# Allegro board ZDRK-36-DE3-A02-20190729.brd (continued)
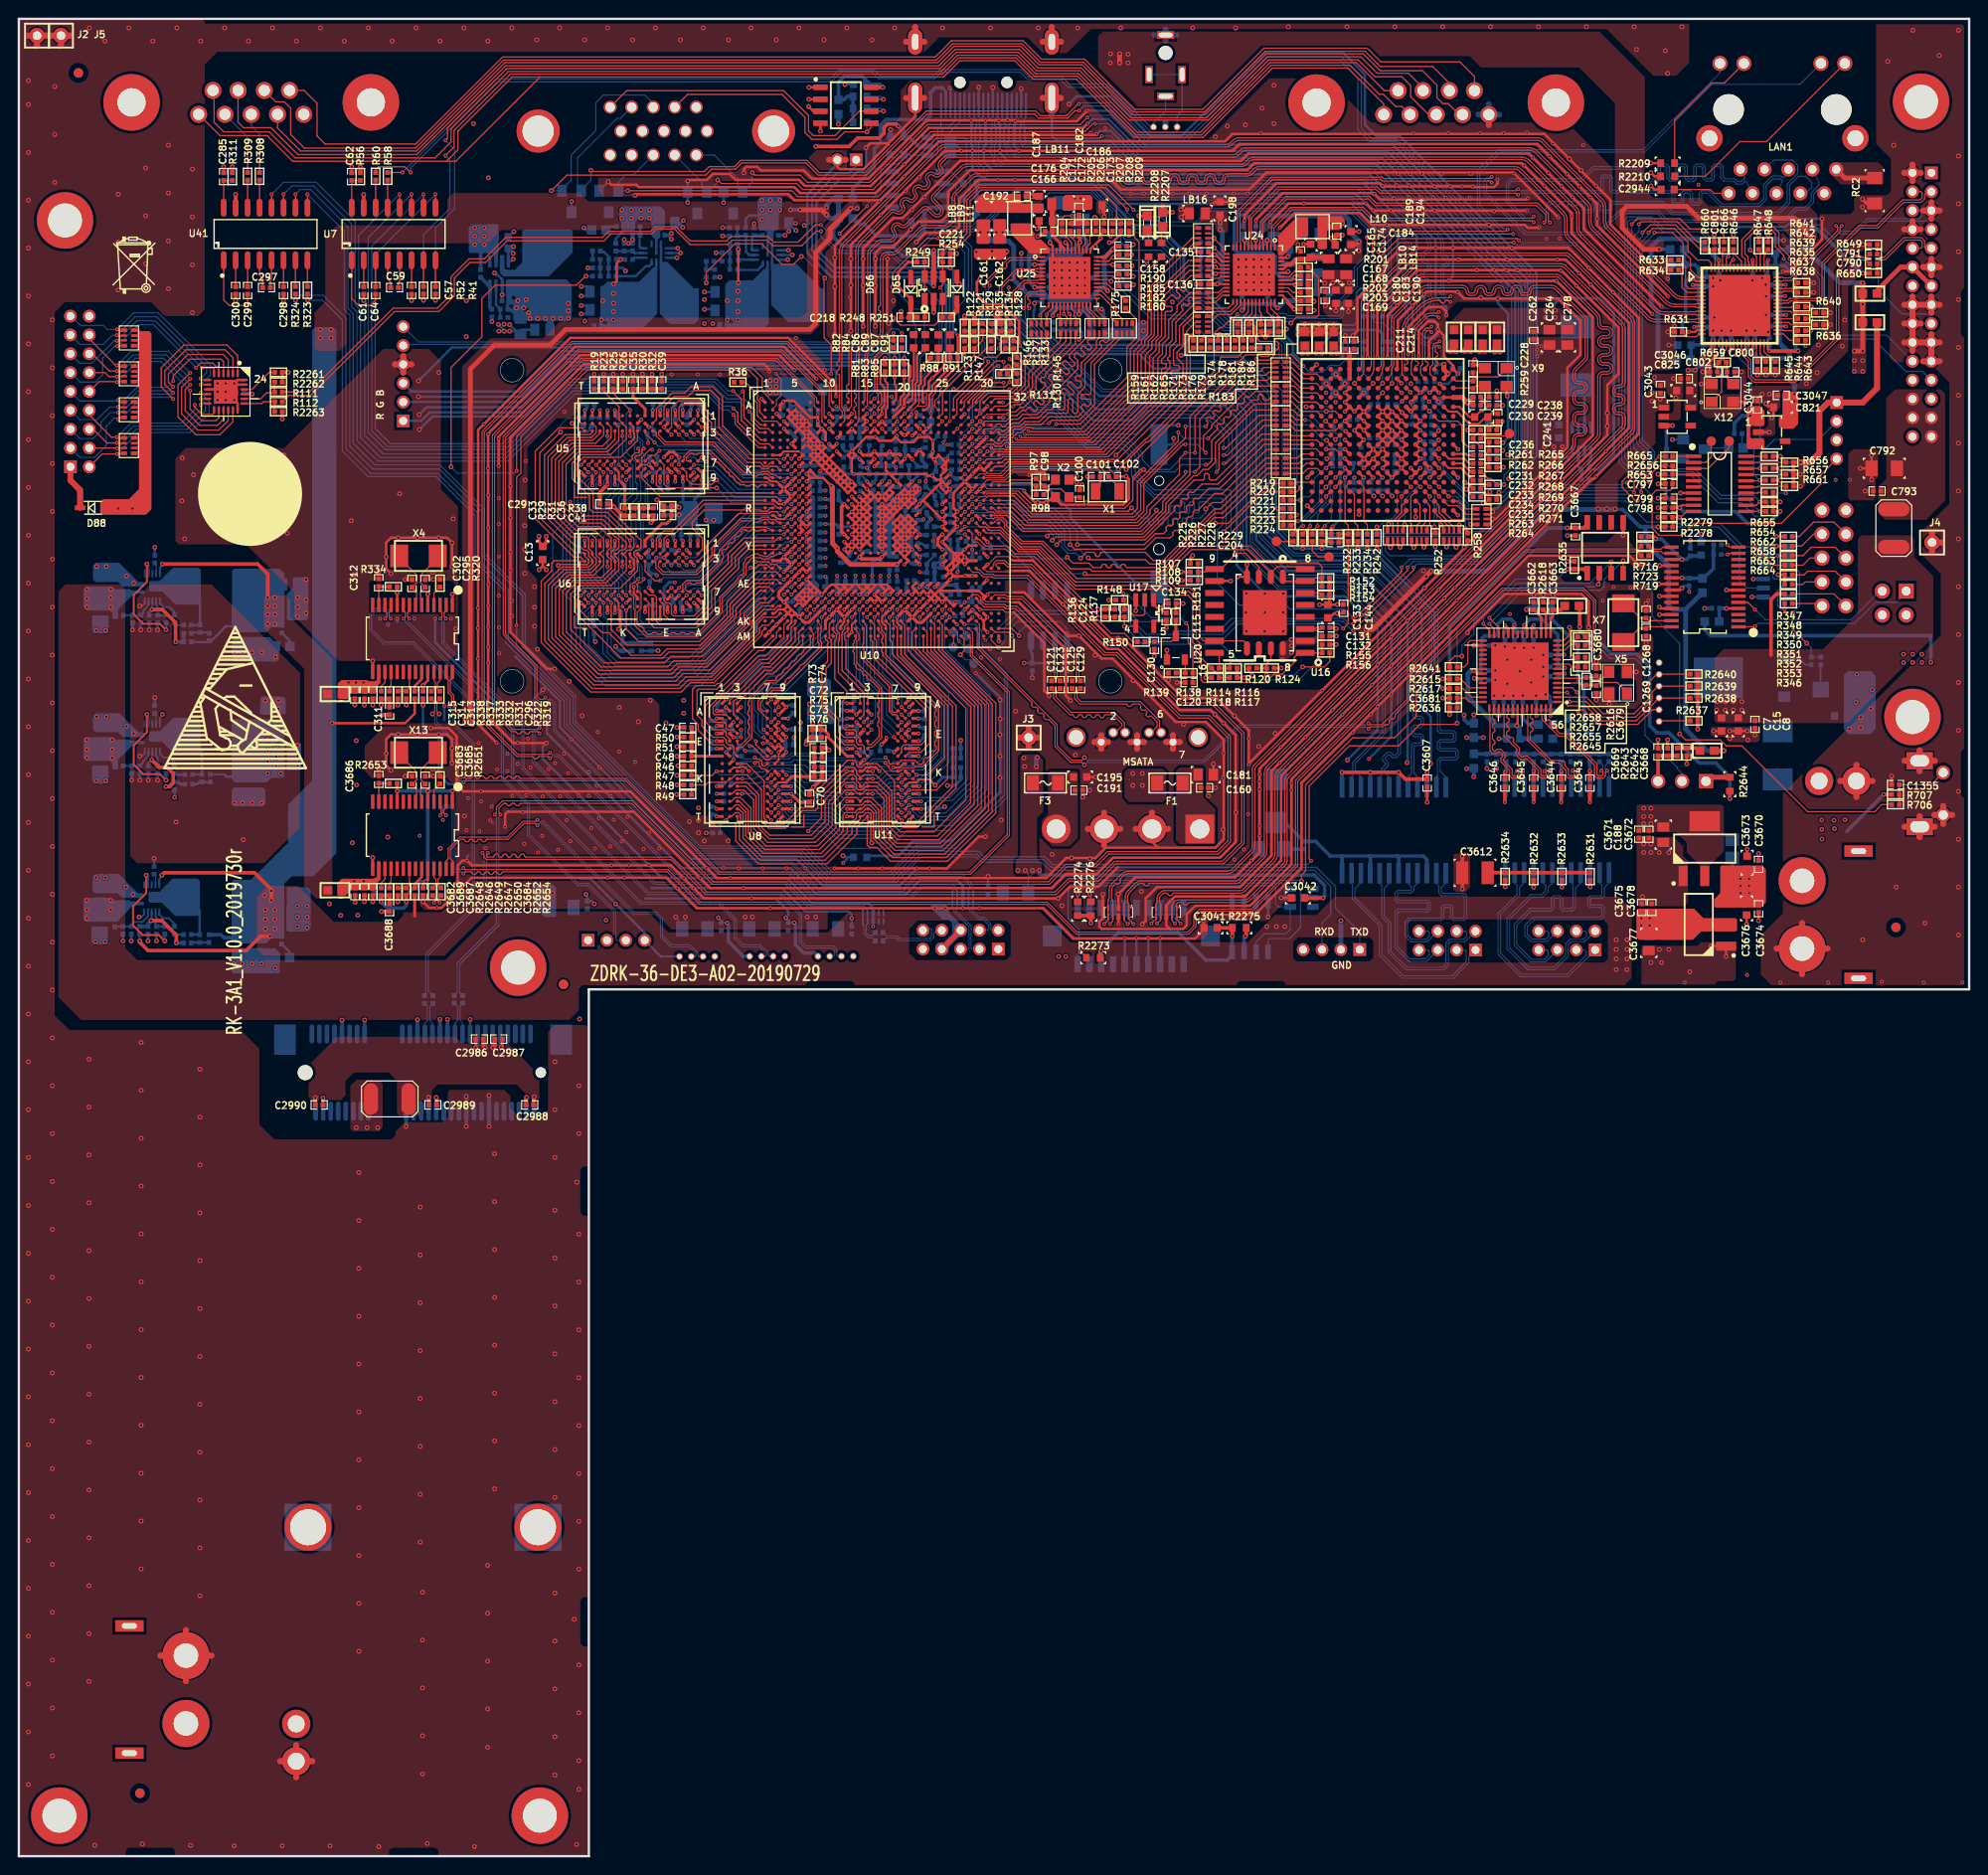
[diagram p0: board, top side]
## Routing (per net, layer and track width the routed paths; a pad name or vN(x,y) marks a point on that pad's centre or on a via; arc(x,y) is an arc through that point) (continued)
N72695: length 2.6
  BOTTOM w0.254: U4.6 66.06,170.65 65.88,170.83 65.88,171.98 R34.1 R33.2
N72707: length 7.7
  BOTTOM w0.254: 83.63,164.69 79.96,168.35 U9.1 U9.9
N72727: length 7.5
  BOTTOM w0.254: U4.9 U4.1 68.16,168.25 68.85,167.56 68.85,166.95 70.67,165.12 70.67,164.69
N72799: length 3
  BOTTOM w0.254: R67.1 76.34,168.34 78.42,168.34 78.96,168.88 U9.3
N72803: length 4.5
  BOTTOM w0.254: U4.3 67.15,169 66.9,168.75 66.54,168.75 65.47,167.68 R44.1
N78504: length 3.7
  BOTTOM w0.203: R2.2 R4.1 C14.1 13.21,116.08 13.21,116.23 13.77,116.8 U2.13
N78524: length 8.8
  TOP w0.381: v2(14.1,116.36) 14.91,115.54 15.75,115.54 16.38,114.91 16.38,113.89 16,113.51 v2(15.62,113.51)
  BOTTOM w0.203: U2.12 14.17,116.43 v2(14.1,116.36)
  BOTTOM w0.254: R8.1 13.74,116 v2(14.1,116.36)
  BOTTOM w0.305: v2(15.62,113.51) 15.88,113.51 16.33,113.97 R17.2 16.94,113.97 17.15,113.77 R21.2
N78664: length 2
  BOTTOM w0.254: C31.1 R24.2 19.15,114 18.92,113.77 R21.1
N78676: length 11.8
  TOP w0.203: v2(15.62,114.2) 14.99,114.83 13.21,114.83 12.19,115.85 12.19,117.88 13.59,119.28 v2(13.59,121.18)
  BOTTOM w0.203: v2(13.59,121.18) 13.77,121 U2.4
  BOTTOM w0.254: R14.1 v2(15.62,114.2)
N78684: length 2.5
  BOTTOM w0.203: U2.11 14.57,116.77 14.73,116.61 C18.1 R14.2
N78696: length 1.2
  BOTTOM w0.254: C27.1 16.64,114.78 R16.2
N78700: length 2.6
  BOTTOM w0.203: U2.10 14.97,117.01 15.37,116.61 16,116.61 16.51,116.1 R16.1
N78704: length 5.7
  BOTTOM w0.254: L2.1 19.43,117.23 R24.1 18.47,114.81 C27.2
N78756: length 1.2
  BOTTOM w0.114: R11.1 14.57,121.14 U2.6
N108668: length 4.8
  TOP w0.127: v1(63.67,147.66) U5.L8
  BOTTOM w0.127: v1(63.67,147.66) 63.67,151.83 R412.2
N108954: length 4.9
  TOP w0.127: v1(63.67,133.82) U6.L8
  BOTTOM w0.127: v1(63.67,133.82) 63.67,135.17 62.9,135.94 62.9,137.7 R413.2
N117091: length 5.1
  TOP w0.127: v1(93.7,113.95) 94.1,114.35 U11.L8
  BOTTOM w0.127: v1(93.7,113.95) 92.35,113.95 91.58,113.18 89.76,113.18 R400.2
N117481: length 4.8
  TOP w0.127: v1(79.86,113.95) 80.26,114.35 U8.L8
  BOTTOM w0.127: R406.2 78.55,113.88 78.62,113.95 v1(79.86,113.95)
N120940: length 4.6
  TOP w0.127: C100.2 112.56,144.23 X2.3 111.42,144.18 111.42,144.31 110.62,145.11 109.37,145.11 108.79,144.53 R98.1
N121250: length 20.2
  TOP w0.127: U17.2 119.51,131.85 119.33,131.67 118.36,131.67 117.7,132.33 R137.1 117.35,133.22 R148.2 v1(117.25,134.01) ; v1(123.88,130.86) 124.13,130.61 124.13,128.75 124.61,128.27 R138.2 C120.1
  BOTTOM w0.127: v1(117.25,134.01) 117.63,134.01 120.19,131.44 123.29,131.44 v1(123.88,130.86)
N121664: length 2.4
  TOP w0.127: R139.1 R138.1 123.8,126.95 U20.2
N121704: length 5.2
  TOP w0.127: R150.2 120.5,128.88 C130.1 122.33,128.91 122.81,129.39 U20.3
  TOP w0.305: R151.2 U20.3
N369871: length 12.3
  TOP w0.127: R124.2 132.44,126.57 132.89,127.03 U18.7 ; R124.2 R120.1 ; R124.2 v2(132.44,125.35) ; v2(136.27,126.21) 138.56,126.21 139.14,126.8 R156.1
  BOTTOM w0.127: v2(132.44,125.35) 135.41,125.35 v2(136.27,126.21)
N370229: length 1.8
  TOP w0.127: 138.3,133.88 138.13,134.06 U16.6
N791895: length 7.4
  TOP w0.127: U10.A16 91.21,155.2 90.84,155.57 90.84,159.14 91.8,160.1 R82.2
N791899: length 9
  TOP w0.127: U10.B16 91.21,153.77 91.57,154.13 91.57,155.2 91.1,155.67 91.1,158.89 91.69,159.49 93.37,159.49 93.73,159.84 R84.2
N1265409: length 7.9
  TOP w0.203: U10.B22 96.24,153.49 96.62,153.87 96.62,155.09 96.95,155.42 96.95,156.08 98.86,157.99 R91.1
  TOP w0.254: C91.1 R91.1
N1265415: length 6.5
  TOP w0.203: R88.1 97.59,158.32 96.16,156.9 96.16,156.16 95.94,155.93 95.94,154.37 U10.A22
  TOP w0.254: C87.1 R88.1
N1265629: length 6
  TOP w0.203: C86.1 95,160.06 95,156.72 94.84,156.57 94.84,154.72 U10.A20
N1265735: length 1.3
  TOP w0.203: U10.D20 v1(94.03,151.51)
  BOTTOM w0.305: R394.1 94.13,151.41 v1(94.03,151.51)
N1265739: length 1.2
  TOP w0.203: v1(95.25,153.24) 95.25,152.73 U10.C21
  BOTTOM w0.305: v1(95.25,153.24) 95.58,152.91 R393.1
N1265743: length 7.3
  TOP w0.203: C89.1 95.35,159.22 95.35,156.46 95.17,156.29 95.17,154.33 94.41,153.57 U10.B20
N1293779: length 2.8
  TOP w0.127: U24.29 130.49,163.89 129.36,162.76 R174.1
N1294077: length 2.3
  TOP w0.127: R202.1 135.23,165.96 134.75,166.44 U24.39
N1294187: length 2.2
  TOP w0.127: U24.19 127.56,167.64 127.38,167.46 126.49,167.46 RN22.5
N1294199: length 2.5
  TOP w0.127: U24.42 134.85,167.64 135.84,168.63 R201.2
N1300229: length 2.5
  TOP w0.127: U25.42 111.73,171.28 110.74,172.26 R204.2
N1300451: length 2.3
  TOP w0.127: R205.1 113.18,172.24 113.18,171.07 112.93,170.82 U25.39
N1300455: length 3.8
  TOP w0.127: R175.1 116.28,166.29 116.1,166.29 115.48,166.91 U25.29
N9652119: length 1.3
  BOTTOM w0.254: R39.2 62.68,172.94 D71.A
N17888369: length 2.8
  TOP w0.127: R52.1 U7.7
N17888371: length 2.8
  TOP w0.127: R41.1 U7.8
N17888401: length 2.9
  TOP w0.127: U7.5 40.41,167.13 40.28,167 C59.1
N17888407: length 2.8
  TOP w0.127: U7.3 C64.1
N17888413: length 7.8
  TOP w0.127: U7.1 35.33,165.3 36.07,164.57 37.29,164.57 37.87,165.15 C64.2
N17888415: length 3
  TOP w0.127: C59.2 39.47,167.03 39.14,167.36 U7.4
N17888417: length 3.8
  TOP w0.127: U7.16 C62.1 R56.2
N17888423: length 2.8
  TOP w0.127: C61.1 U7.2
N17888425: length 2.8
  TOP w0.127: C57.1 U7.6
N17888427: length 2.9
  TOP w0.127: U7.13 R58.1
N17888429: length 2.9
  TOP w0.127: R60.1 U7.14
N17942185: length 6.9
  BOTTOM w0.508: 55.93,170.99 53.37,168.43 53.29,168.43 52.83,167.97 51.66,167.97 51.3,168.33 U3.3
N17942187: length 3.6
  BOTTOM w0.254: R13.1 R12.1 50.65,164.64 U3.7
N17942295: length 3.9
  BOTTOM w0.381: R20.2 49.88,166.7 U3.8 50,164.4 C26.1
N17948494: length 1.8
  BOTTOM w0.254: R45.2 28.74,95.94 D87.A
N17955762: length 7.8
  GND02 w0.635: J134.1 189.28,106.22 ; J125.1 192.79,114.11
  GND02 w2.54: 191.09,112.41 J125.1 189.38,114.11
N17955776: length 2.7
  BOTTOM w0.203: D2.2 191.24,126.42 R27.1
N17994299: length 2.3
  TOP w0.127: RN13.7 127.11,165.37 127.79,166.04 U24.23
N17994300: length 2.3
  TOP w0.127: U24.24 127.75,165.64 126.97,164.87 RN13.6
N17994301: length 3
  TOP w0.127: U24.25 128.89,164.81 128.38,164.29 RN13.5
N17994302: length 3.9
  TOP w0.127: U24.26 129.29,164.65 128.58,163.93 126.97,163.93 126.47,163.43 RN14.8
N17994437: length 2.2
  TOP w0.127: RN13.8 127.33,165.94 127.83,166.44 U24.22
N17994468: length 4.6
  TOP w0.127: U24.27 129.69,164.64 128.68,163.63 127.3,163.63 126.53,162.85 RN14.7
N17995041: length 2.3
  TOP w0.127: RN17.7 114.19,163.36 113.33,164.21 U25.23
N17995044: length 2.4
  TOP w0.127: RN17.6 114.68,163.22 113.73,164.17 U25.24
N17995047: length 3
  TOP w0.127: U25.25 114.41,164.07 115.26,163.23 RN17.5
N17995050: length 4.1
  TOP w0.127: U25.26 114.8,165.71 115.95,164.57 115.95,163.26 RN18.8
N17995116: length 4.8
  TOP w0.127: RN18.7 117.11,163.16 116.46,163.8 116.46,164.57 114.91,166.11 U25.27
N17995130: length 2.2
  TOP w0.127: RN17.8 113.61,163.35 112.93,164.03 U25.22
N17995805: length 2.2
  TOP w0.127: RN20.5 112.21,163.3 112.01,163.5 112.01,163.96 111.73,164.24 U25.19
N18010653: length 3.8
  TOP w0.127: R311.2 C285.1 U41.16
N18010677: length 2.8
  TOP w0.127: R324.1 U41.7
N18010679: length 2.8
  TOP w0.127: R323.1 U41.8
N18010709: length 2.9
  TOP w0.127: U41.5 26.82,167.46 26.7,167.34 C297.1
N18010715: length 2.8
  TOP w0.127: C299.1 U41.3
N18010721: length 8
  TOP w0.127: U41.1 21.74,165.18 22.35,164.57 24,164.57 24.28,164.85 C299.2
N18010723: length 3
  TOP w0.127: U41.4 25.55,167.79 25.88,167.46 C297.2
N18010727: length 2.8
  TOP w0.127: C300.1 U41.2
N18010729: length 2.8
  TOP w0.127: C298.1 U41.6
N18010731: length 2.9
  TOP w0.127: U41.13 R308.1
N18010733: length 2.9
  TOP w0.127: U41.14 R309.1
N18040890: length 11.9
  TOP w0.127: U32.C10 v4(146.77,155.3)
  BOTTOM w0.114: R246.2 R243.2 143.76,163.02 144.07,162.71 144.83,162.71 146.79,160.76 146.79,157.25 146.3,156.77 146.3,155.77 v4(146.77,155.3)
N18040896: length 1.4
  BOTTOM w0.114: R246.1 142.8,165.56 TP46.1
N18040898: length 3
  TOP w0.127: TP47.1 137.92,137.9 137.29,138.53 R227.1
N18040900: length 1.8
  TOP w0.127: TP48.1 133.5,139.52 R225.1
N18040904: length 20
  TOP w0.127: v1(135.69,142.37) 135.69,142.32 135.51,142.14 R223.2 R222.2 ; U32.G3 138.77,152.3 v2(138.68,152.3)
  BOTTOM w0.127: v2(138.68,152.3) 139.4,153.01 139.4,153.54 139.12,153.82 138.18,153.82 137.62,154.38 136.3,154.38 135.38,153.47 135.38,142.52 135.53,142.37 v1(135.69,142.37)
N18040906: length 14.2
  TOP w0.127: v2(138.79,153.34) 139.73,153.34 U32.F4 ; v2(136.07,145.24) 135.64,144.81 R220.2
  BOTTOM w0.127: v2(136.07,145.24) 136.02,145.24 135.66,145.59 135.66,153.09 135.92,153.34 v2(138.79,153.34)
N18040962: length 10.5
  TOP w0.127: U32.C11 v4(147.7,155.37)
  BOTTOM w0.114: R247.2 R244.2 145.69,162.33 147.07,160.96 147.07,156.72 147.27,156.51 147.27,155.8 v4(147.7,155.37)
N18041076: length 7.1
  TOP w0.127: U32.H4 140.23,150.82 v2(139.75,150.34) ; RN75.3 135.1,152.91 135.59,152.43 v1(136.53,152.43)
  BOTTOM w0.127: v1(136.53,152.43) 136.55,152.4 137,152.4 138.58,150.83 138.94,150.83 139.06,150.7 139.4,150.7 v2(139.75,150.34)
N18041088: length 11.1
  TOP w0.127: v1(136.12,152.91) 135.84,152.91 135.26,153.48 RN75.4 ; v4(138.76,149.33) 139.74,149.33 U32.K4
  BOTTOM w0.127: v4(138.76,149.33) 138.76,149.56 139.04,149.83 140.06,149.83 140.23,150.01 140.23,150.57 139.73,151.08 139.22,151.08 139.1,151.21 138.86,151.21 137.16,152.91 v1(136.12,152.91)
N18041450: length 4.8
  TOP w0.127: v2(150.24,141.07) 150.34,140.97 R252.1 ; U32.P13 v4(149.75,144.32)
  BOTTOM w0.127: v2(150.24,141.07) 150.24,143.46 149.75,143.95 v4(149.75,144.32)
N18041699: length 8
  TOP w0.127: U32.N11 v4(147.75,145.32) ; v2(144.15,141.07) R242.1
  BOTTOM w0.127: v4(147.75,145.32) 147.19,144.75 146.53,144.75 146.3,144.53 146.3,142.52 145.62,141.83 145.14,141.83 144.37,141.07 v2(144.15,141.07)
N18041701: length 5.9
  TOP w0.127: v2(153.54,140.89) 153.77,140.67 R258.1 ; U32.P15 v4(151.75,144.32)
  BOTTOM w0.127: v2(153.54,140.89) 153.54,143.33 152.55,144.32 151.76,144.32 v4(151.75,144.32)
N18041729: length 2.3
  TOP w0.127: R219.1 135.51,145.69 135.63,145.82 U32.N1
N18041731: length 0.7
  TOP w0.254: U32.B4 140.24,156.82 v2(139.78,157.28)
N18041733: length 0.7
  TOP w0.254: U32.D6 v4(142.75,155.32)
N18041735: length 7.7
  TOP w0.127: v2(155.45,143.61) 155.68,143.61 R271.1
  TOP w0.254: U32.L14 v4(150.75,147.32)
  BOTTOM w0.127: v4(150.75,147.32) 150.75,147.26 154.28,143.74 155.32,143.74 v2(155.45,143.61)
N18041737: length 6.5
  TOP w0.127: R264.1 153.62,145.01 v2(153.62,145.08)
  TOP w0.254: U32.K14 v4(150.75,148.32)
  BOTTOM w0.127: v4(150.75,148.32) 150.75,147.97 151.21,147.52 151.21,147.17 153.37,145.01 153.55,145.01 v2(153.62,145.08)
N18041783: length 2.2
  TOP w0.114: U32.D8 v2(144.75,155.32)
  BOTTOM w0.114: v2(144.75,155.32) 144.27,154.83 R237.2
N18041805: length 2.5
  TOP w0.127: R262.2 154.36,150.39 C231.1 ; 154.36,150.55 R261.1
  TOP w0.254: 154.36,150.55 R262.2
N18041807: length 6.4
  TOP w0.127: U32.F14 150.25,152.77 150.72,152.3 152.73,152.3 153.16,151.87 153.16,150.22 153.8,149.58 C231.2
N18041868: length 8.5
  TOP w0.127: U32.D13 v4(149.7,154.37)
  TOP w0.254: R265.2 v2(156.06,151.89)
  BOTTOM w0.127: v2(156.06,151.89) 152.18,151.89 v4(149.7,154.37)
N18042583: length 0.7
  TOP w0.254: U32.C3 139.23,155.82 v2(138.76,156.29)
N18042585: length 0.7
  TOP w0.254: U32.C4 140.27,155.82 v2(140.74,156.29)
N18042593: length 0.7
  TOP w0.254: U32.D4 140.25,154.84 v2(139.78,155.32)
N18042595: length 0.7
  TOP w0.254: v2(149.76,147.32) 149.26,147.82 U32.L13
N18042600: length 4.3
  TOP w0.114: U32.C9 v2(145.75,156.32)
  BOTTOM w0.114: v2(145.75,156.32) 145.75,159.86 R241.2
N18042602: length 4.9
  TOP w0.114: U32.C7 v2(143.75,156.32)
  BOTTOM w0.114: R235.2 142.82,159.51 142.57,159.26 142.57,157.5 v2(143.75,156.32)
N18042624: length 4.3
  TOP w0.114: U32.C8 v2(144.75,156.32)
  BOTTOM w0.114: v2(144.75,156.32) R236.2
N18042630: length 0.7
  TOP w0.254: U32.D14 150.25,154.8 v2(150.71,154.34)
N18042636: length 5.9
  TOP w0.127: v2(138.81,150.26) U32.J3 ; v1(136.14,151.89) 135.53,151.89 135.01,152.41 RN75.2
  BOTTOM w0.127: v2(138.81,150.26) 138.51,150.26 136.88,151.89 v1(136.14,151.89)
N18042638: length 4.3
  TOP w0.127: U32.D2 137.78,155.3 136.12,155.3 135.39,156.02 RN77.4
N18042640: length 3.1
  TOP w0.127: U32.D1 135.91,154.82 135.28,155.45 RN77.3
N18042642: length 4.3
  TOP w0.127: RN77.2 135.17,154.95 135.81,154.31 137.77,154.31 138.25,153.82 U32.E2
N18042644: length 4.5
  TOP w0.127: U32.F2 138.25,152.85 137.77,153.34 136.12,153.34 135.08,154.38 RN77.1
N18042646: length 4.5
  TOP w0.127: RN19.4 134.46,158.56 135.19,158.56 136.45,157.3 137.77,157.3 U32.B2
N18042648: length 3.3
  TOP w0.127: RN19.3 135.1,157.99 136.27,156.82 U32.B1
N18042650: length 4.5
  TOP w0.127: U32.C2 138.24,155.82 137.74,156.31 136.14,156.31 134.96,157.49 RN19.2
N18042652: length 3.3
  TOP w0.127: U32.C1 136.03,155.82 134.93,156.92 RN19.1
N18042654: length 3
  TOP w0.127: U32.K1 136.14,148.82 135.7,148.38 RN76.4
N18042656: length 4.2
  TOP w0.127: RN76.3 135.84,147.81 136.32,148.29 137.77,148.29 138.24,147.82 U32.L2
N18042658: length 3
  TOP w0.127: RN76.2 136.13,147.31 136.64,147.82 U32.L1
N18042662: length 4.2
  TOP w0.127: RN76.1 136.27,146.73 136.8,147.27 137.82,147.27 138.25,146.84 U32.M2
N18042664: length 2.9
  TOP w0.127: U32.H1 137.19,150.75 135.1,150.75 134.93,150.92 RN78.4
N18042666: length 4
  TOP w0.127: RN78.3 134.53,150.29 137.78,150.29 U32.J2
N18042668: length 2.8
  TOP w0.127: U32.J1 134.51,149.82 RN78.2
N18042670: length 4
  TOP w0.127: U32.K2 137.72,149.35 134.56,149.35 RN78.1
N18042674: length 1.9
  TOP w0.127: R270.2 155.63,145.57 155.22,145.16 R263.1 C235.1
N18042676: length 1.9
  TOP w0.127: R268.2 R269.1 155.65,147.8 C233.1
N18042678: length 2
  TOP w0.127: R266.1 R267.2 155.57,148.69 C232.1
N18042680: length 2.2
  TOP w0.203: C232.2 153.75,148.69 153.62,148.82 U32.K16
N18042682: length 3.5
  TOP w0.203: U32.K15 151.26,148.82 151.77,148.31 153.44,148.31 153.95,147.8 C233.2
N18042684: length 3.9
  TOP w0.203: U32.L15 151.25,147.8 151.74,147.32 153.06,147.32 C235.2
N18043041: length 7.4
  TOP w0.127: v1(136.32,141.17) 136.09,141.17 R225.2 ; v2(138.73,145.29) 139.25,145.81 U32.N3
  BOTTOM w0.127: v2(138.73,145.29) 138.73,145.21 138.3,144.78 138.3,143.68 136.22,141.6 136.22,141.27 v1(136.32,141.17)
N18043043: length 7.7
  TOP w0.127: R227.2 137.29,140.61 v1(137.85,141.17) ; v4(139.75,146.32) U32.M4
  BOTTOM w0.127: v4(139.75,146.32) 139.19,145.75 139.19,143.71 137.85,142.37 v1(137.85,141.17)
N18043282: length 4.9
  TOP w0.127: U32.P5 141.44,144.82 141.76,144.5 141.76,141.55 142.11,141.2 R233.2
N18043284: length 5.9
  TOP w0.127: R234.2 143.13,141.3 142.77,141.66 142.77,145.31 142.27,145.82 U32.N6
N18043286: length 6.3
  TOP w0.127: v1(138.63,141.17) 138.56,141.17 138.3,140.92 R228.2 ; v4(139.75,145.32) U32.N4
  BOTTOM w0.127: v1(138.63,141.17) 139.32,141.86 139.32,143.46 139.45,143.59 139.45,145.01 v4(139.75,145.32)
N18043288: length 5.7
  TOP w0.127: v1(137.06,141.17) 136.27,140.39 R226.2 ; U32.P3 v4(138.75,144.32)
  BOTTOM w0.127: v4(138.75,144.32) 138.73,144.3 138.73,143.64 137.06,141.96 v1(137.06,141.17)
N18043541: length 7.6
  TOP w0.127: v4(138.75,146.32) U32.M3 ; R224.2 135.23,141.25 135.66,141.68 v1(135.76,141.68)
  BOTTOM w0.127: v1(135.76,141.68) 135.94,141.68 138.05,143.79 138.05,145.61 v4(138.75,146.32)
N18043543: length 6.7
  TOP w0.127: U32.L3 v4(138.75,147.32) ; v2(136.04,143.92) R221.2
  BOTTOM w0.127: v2(136.04,143.92) 136.4,144.27 137.01,144.27 137.49,144.75 137.49,146.2 138.61,147.32 v4(138.75,147.32)
N18043587: length 5.9
  TOP w0.127: U32.N13 v4(149.75,145.32) ; v2(150.93,141.3) 151.25,140.98 RN12.4
  BOTTOM w0.127: v2(150.93,141.3) 150.52,141.71 150.52,143.64 150.27,143.89 150.27,144.81 v4(149.75,145.32)
N18043589: length 2.8
  TOP w0.127: RN12.3 151.82,141.07 150.25,142.63 U32.T14
N18043591: length 4
  TOP w0.127: RN12.2 152.32,141.03 150.75,142.6 150.75,143.33 150.26,143.82 U32.R14
N18043593: length 6.2
  TOP w0.127: U32.P14 v4(150.75,144.32) ; RN12.1 v2(152.89,141.28)
  BOTTOM w0.127: v4(150.75,144.32) 151.23,143.84 152.48,143.84 153.21,143.1 153.21,141.96 152.89,141.64 v2(152.89,141.28)
N18043595: length 1.4
  TOP w0.127: U32.D11 146.84,154.41 v4(146.81,154.41)
  BOTTOM w0.114: R238.2 146.46,154.05 v4(146.81,154.41)
N18043599: length 5
  TOP w0.127: RN10.4 145.28,141.16 145.39,141.27 v2(145.39,141.38) ; U32.P11 v4(146.75,144.32)
  BOTTOM w0.127: v4(146.75,144.32) 146.75,142.56 145.57,141.38 v2(145.39,141.38)
N18043601: length 3.7
  TOP w0.127: RN10.3 145.85,141.66 146.76,142.57 146.76,143.33 147.25,143.82 U32.R11
N18043603: length 2.5
  TOP w0.127: RN10.2 146.35,141.78 147.25,142.68 U32.T11
N18043605: length 6.3
  TOP w0.127: v2(147.09,141.35) 146.92,141.18 RN10.1 ; U32.N12 v4(148.75,145.32)
  BOTTOM w0.127: v2(147.09,141.35) 147.09,143.99 148.42,145.32 v4(148.75,145.32)
N18043607: length 4.3
  TOP w0.127: U32.P12 147.75,144.31 147.75,141.45 147.81,141.39 RN9.4
N18043609: length 3.5
  TOP w0.127: RN9.3 148.38,141.25 148.72,141.58 148.72,143.43 148.33,143.82 U32.R12
N18043611: length 2.3
  TOP w0.127: U32.T13 149.25,141.48 148.88,141.11 RN9.2
N18043613: length 3.4
  TOP w0.127: RN9.1 149.46,141.02 149.76,141.33 149.76,143.31 U32.R13
N18043626: length 7.5
  TOP w0.127: U32.N14 v4(150.75,145.32) ; RN11.4 v2(154.09,141.34)
  BOTTOM w0.127: v2(154.09,141.34) 153.87,141.55 153.87,143.48 152.48,144.88 151.19,144.88 v4(150.75,145.32)
N18043628: length 4
  TOP w0.127: U32.T15 151.25,142.67 152.1,141.83 153.24,141.83 153.32,141.91 RN11.3
N18043630: length 4.1
  TOP w0.127: U32.R15 151.74,143.33 152.7,143.33 153.62,142.41 RN11.2
N18043632: length 2.8
  TOP w0.127: RN11.1 153.61,142.99 152.78,143.82 U32.R16
N18043702: length 6.9
  TOP w0.203: U32.E15 151.76,153.31 152.65,153.31 153.95,152.02 154.97,152.02 155.68,152.73 C236.1 156.27,153.09 C241.2
N18043704: length 4.8
  TOP w0.203: U32.E16 152.91,153.82 154,152.73 C236.2 155.16,153.37 155.4,153.37 156.01,153.97 C239.2
N18043752: length 6.2
  TOP w0.127: RN75.1 134.9,151.84 134.91,151.83 135.01,151.83 135.53,151.31 139.74,151.31 U32.G4
N18122516: length 12.7
  TOP w0.254: U43.1 v2(46.01,133.93) ; R332.2 v2(41.12,122.17) ; U43.16 38.21,124.64 ; U43.5 v2(43.41,133.93) ; C296.1 v2(42.9,124.26) 43.41,124.76 U43.24 ; U43.10 v2(40.16,134.09) 40.16,134.72 R334.1
  TOP w0.381: C311.1 R337.1 R338.1 v2(38.46,122.17) ; C314.1 C313.1 37.57,124 38.21,124.64
  vias: v2(35,124.56) v2(35.79,124.56) v2(36.58,124.56)
N18122529: length 2.2
  TOP w0.127: U43.4 44.06,134.05 R320.1
N18122553: length 3.1
  TOP w0.127: 38.21,134.74 38.23,134.72 R334.2 ; 38.21,134.74 C312.1 ; 38.21,134.74 U43.13
N18122565: length 2.3
  TOP w0.112: R322.2 44.2,124.05 44.2,124.63 44.06,124.77 U43.25
N18122567: length 2.3
  TOP w0.112: U43.26 44.71,124.77 44.42,124.48 44.42,123.9 R319.2
N18122574: length 2.2
  TOP w0.127: U43.17 38.86,124.56 38.46,124.16 R338.2
N18122576: length 2.1
  TOP w0.127: U43.18 39.51,124.29 39.34,124.13 R337.2
N18122660: length 6.6
  TOP w0.127: U43.6 42.76,133.42 42.65,133.53 42.65,134.19 C295.2 42.62,135.18 42.62,135.92 43.83,137.12 43.83,137.68 44.15,138 X4.1
N18122662: length 6.5
  TOP w0.127: U43.7 42.11,133.4 42.21,133.5 42.21,134.19 C302.2 41.76,134.67 42.27,135.18 42.27,135.92 40.37,137.81 X4.2
N18122672: length 2.3
  TOP w0.254: U43.23 42.76,124.93 42.01,124.18 R331.2
N18122674: length 3.1
  TOP w0.127: R333.1 R332.1 41.46,123.98 U43.21
N18172660: length 3.7
  TOP w0.127: J108.7 190.5,140.31 189.23,139.04 R348.1
N18172710: length 6.8
  TOP w0.127: R347.1 188.98,140.06 190.5,141.58 192.66,141.58 193.93,140.31
N18173126: length 3.3
  TOP w0.127: R352.1 189.36,134.98 189.61,135.23 J108.3
N18173239: length 3.5
  TOP w0.127: J108.5 190.12,137.77 189.36,137.01 R350.1
N18173263: length 3.3
  TOP w0.127: R346.1 191.14,132.94 J108.1
N18173335: length 6.2
  TOP w0.127: R353.1 192.66,133.96 193.93,132.69
N18173338: length 6.3
  TOP w0.127: 193.93,135.23 192.79,136.37 189.87,136.37 189.48,135.99 R351.1
N18173341: length 6.5
  TOP w0.127: 193.93,137.77 192.79,138.91 190.25,138.91 189.36,138.02 R349.1
N18174047: length 3.1
  BOTTOM w0.203: Q2.1 189.01,127.07 189.64,126.44 R28.1
N18220213: length 4.9
  BOTTOM w0.305: U38.3 166.19,155.3 L14.1
N18220215: length 3
  BOTTOM w0.305: U38.7 165.54,147.47 R304.1 R305.1
N18220289: length 2.6
  BOTTOM w0.305: C279.1 R306.2 164.58,148.44 164.89,148.74 U38.8
N18223070: length 7.3
  TOP w0.127: R36.1 77.11,156.44 77.98,155.57 77.98,154.61 78.37,154.22 78.37,152.9 78.97,152.3 80.44,152.3 80.81,151.93 U10.D3
N18449967: length 5.9
  TOP w0.127: C2944.1 179.53,176.89 179.93,176.48 J115.1
N18450000: length 14.4
  TOP w0.127: R2209.2 175.74,184.25 179.68,188.19 181.02,188.19 J115.12
N18450023: length 23
  TOP w0.127: J115.14 185.51,181.97 182.68,181.97 178.99,178.28 R2210.2
N18475321: length 13.2
  TOP w0.381: U27.8 v2(91.69,187.73)
  BOTTOM w0.381: v2(91.69,187.73) 91.39,188.04 C2318.2 89.89,188.13 89.89,188.49 89.51,188.87 87.58,188.87 87,188.29 LB52.2 87.58,186.41 87.93,186.77 R158.1 R160.1 R2212.1
N18475325: length 3.2
  TOP w0.127: U27.7 v2(91.77,186.46)
  BOTTOM w0.127: v2(91.77,186.46) 91.47,186.77 R158.2
N18477076: length 3.4
  BOTTOM w0.127: R1119.2 99.57,174.47 99.44,174.6 99.44,175.49 98.68,176.25 U58.7
N18912882: length 13.5
  TOP w0.112: C125.1 112.06,123.65 112.06,122.83 112.62,122.28 117.57,122.28 117.68,122.16 117.68,122.14 117.79,122.02 118.02,122.02 118.14,122.14 118.14,122.16 118.25,122.28 118.92,122.28 119.08,122.12 119.08,121.96 119.06,121.94 119.06,121.78 119.22,121.62 119.38,121.62 119.4,121.64 119.56,121.64 119.72,121.48 119.72,121.31 119.64,121.23 119.64,121.07 119.79,120.92 119.98,120.92 120.05,120.99 120.21,120.99 120.82,120.38 120.82,119.88 120.19,119.25 CON1.5
N18912884: length 12.2
  TOP w0.112: CON1.6 121.08,119.4 121.08,120.49 119.03,122.54 117.57,122.54 117.57,122.54 112.73,122.54 112.33,122.94 112.33,123.58 C129.1
N18912886: length 10.6
  TOP w0.112: CON1.3 117.35,119.32 117.35,120.29 116.24,121.4 111.69,121.4 110.08,123.01 110.08,123.49 C123.1
N18912888: length 12.1
  TOP w0.112: CON1.2 116.38,119.25 117.08,119.95 117.08,120.18 116.13,121.13 115.29,121.13 115.18,121.02 115.18,120.94 115.06,120.83 114.86,120.83 114.72,120.97 114.72,121.02 114.61,121.13 114.38,121.13 114.26,121.02 114.26,120.97 114.15,120.85 113.92,120.85 113.81,120.97 113.81,121.02 113.69,121.13 113.46,121.13 113.35,121.02 113.35,120.97 113.24,120.85 113.01,120.85 112.89,120.97 112.89,121.02 112.78,121.13 112.55,121.13 112.44,121.02 112.44,120.97 112.32,120.85 112.09,120.85 111.98,120.97 111.98,121.02 111.86,121.13 111.58,121.13 109.82,122.9 109.82,123.74 C121.1
N18931732: length 4
  TOP w0.127: R2261.2 26.57,157.48 24.76,155.67 U103.22
N18931787: length 4.6
  TOP w0.127: R2262.2 R111.2 27.05,155.3 26.29,155.3 25.67,154.67 U103.20
N18931789: length 4.4
  TOP w0.127: U103.19 25.8,154.17 25.98,154.36 R112.2 R2263.2
N18932104: length 156.2
  TOP w0.127: 55.32,188.82 52.35,188.82 46.61,183.08 46.61,181.1 45.39,179.88 ; 55.32,188.82 98.15,188.82 99.87,190.55 105.71,190.55 107.67,188.59 112.24,188.59 118.41,182.42 125.7,182.42 133.05,189.76 141.07,189.76 144.86,185.97 J22.1 ; 55.32,188.82 46.38,179.88 45.39,179.88 ; 45.39,179.88 29.06,179.88 26.34,182.6 21.34,182.6 J23.1
N18932107: length 143.7
  TOP w0.127: J23.6 20.73,187.28 20.73,184.02 21.74,183.01 26.57,183.01 29.34,180.24 44.17,180.24 45.87,181.94 45.87,183.31 51.97,189.41 97.9,189.41 99.63,191.13 105.96,191.13 107.91,189.18 112.48,189.18 118.71,182.96 125.41,182.96 132.8,190.35 141.96,190.35 144.93,187.38 J22.6
N18932110: length 142.5
  TOP w0.127: J23.7 23.27,184.02 23.85,183.44 26.77,183.44 29.62,180.59 42.24,180.59 51.66,190.02 97.65,190.02 99.38,191.74 106.21,191.74 108.17,189.79 112.74,189.79 118.02,184.51 126.1,184.51 132.55,190.96 142.44,190.96 144.17,189.23 147.47,189.23 149.05,187.65 J22.7
N18932113: length 142.4
  TOP w0.127: J23.8 27.28,186.18 28.17,186.18 28.85,185.5 28.85,182.73 30.3,181.28 42.11,181.28 51.45,190.62 97.4,190.62 99.13,192.35 106.46,192.35 108.42,190.39 112.99,190.39 118.27,185.12 125.85,185.12 132.3,191.56 142.88,191.56 144.5,189.94 150.06,189.94 151.84,188.17 J22.8
N18932128: length 142
  TOP w0.127: J22.4 152.88,184.84 151.71,186 151.13,186 150.52,186.61 150.52,187.96 149,189.48 144.5,189.48 142.7,191.29 132.41,191.29 125.94,184.81 118.18,184.81 112.87,190.12 108.3,190.12 106.35,192.07 99.24,192.07 97.51,190.35 51.59,190.35 42.21,180.97 29.9,180.97 27.45,183.42 J23.4
N18932131: length 143.2
  TOP w0.127: J23.9 30.28,187.4 31.65,186.03 31.65,182.58 32.51,181.71 42.11,181.71 51.35,190.94 97.27,190.94 98.99,192.67 106.59,192.67 108.55,190.72 113.12,190.72 118.44,185.39 125.68,185.39 132.17,191.88 143.12,191.88 144.58,190.42 152.96,190.42 154.5,188.88 J22.9
N18933886: length 4.8
  TOP w0.635: J127.1 5.48,146.01 6.5,144.98 D88.1
N18950764: length 7.9